# Altium PCB GridSeed.PcbDoc (part 1 of 4) (continued)
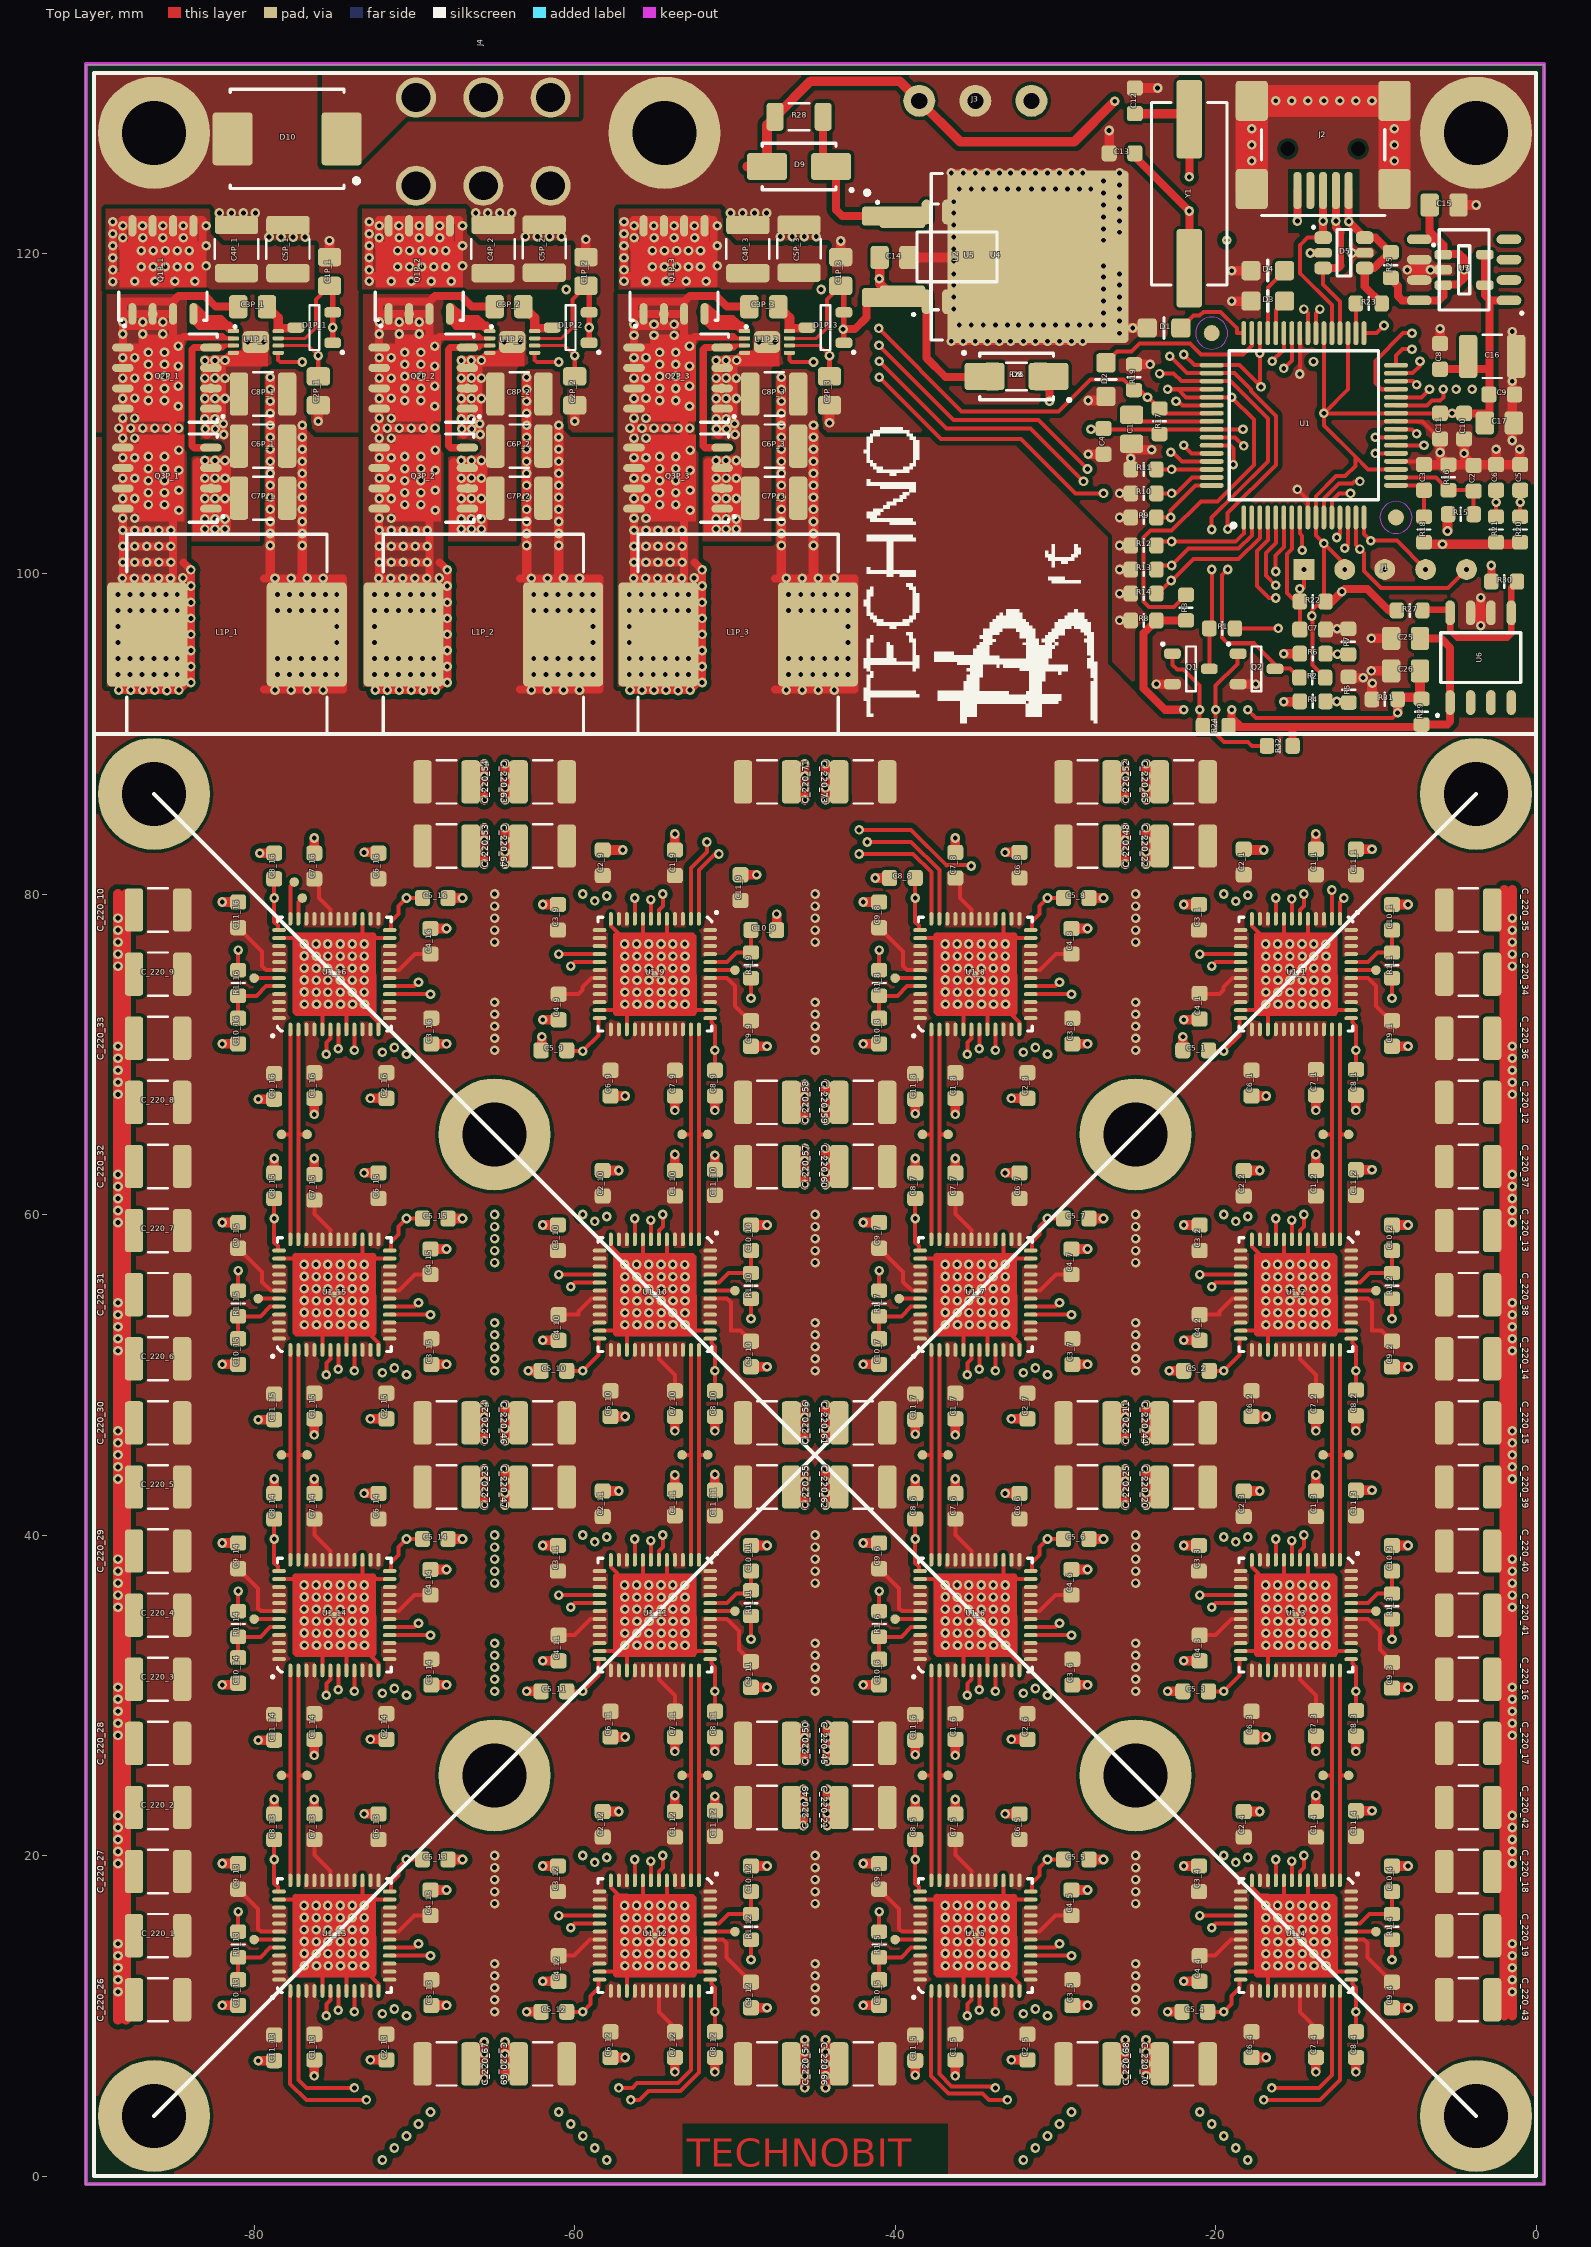
[diagram p0: Top Layer view]
## Components (designator, comment, footprint, x,y, rotation, side; value= is the part's Value field where it differs from the comment) (continued)
L1P_2 "SLC1480-201MLD" "SMD_INDM12501250X800A - Coilcraft SLC1480" -65.7,96.2 r0 top
L1P_3 "SLC1480-201MLD" "SMD_INDM12501250X800A - Coilcraft SLC1480" -49.8,96.2 r0 top
Q1 "BSS138" SMD_SOT23_SOT95P240X120-3N -21.55,94.05 r0 top
Q1P_1 "AP1RA03GMT-3" SMD_SON127P615X520X100-8N -85.7,118.95 r90 top
Q1P_2 "AP1RA03GMT-3" SMD_SON127P615X520X100-8N -69.7,118.95 r90 top
Q1P_3 "AP1RA03GMT-3" SMD_SON127P615X520X100-8N -53.8,118.95 r90 top
Q2 "BSS138" SMD_SOT23_SOT95P240X120-3N -17.45,94.05 r0 top
Q2P_1 "AP1RA03GMT-3" SMD_SON127P615X520X100-8N -85.45,112.195 r180 top
Q2P_2 "AP1RA03GMT-3" SMD_SON127P615X520X100-8N -69.45,112.195 r180 top
Q2P_3 "AP1RA03GMT-3" SMD_SON127P615X520X100-8N -53.55,112.195 r180 top
Q3P_1 "AP1RA03GMT-3" SMD_SON127P615X520X100-8N -85.45,105.95 r180 top
Q3P_2 "AP1RA03GMT-3" SMD_SON127P615X520X100-8N -69.45,105.95 r180 top
Q3P_3 "AP1RA03GMT-3" SMD_SON127P615X520X100-8N -53.55,105.95 r180 top
R1 "1k" SMD_0603_RESC1608X55N -19.6,96.575 r0 top
R1_1 "1K" SMD_0603_RESC1608X55N -9,75.55 r90 top
R1_2 "1K" SMD_0603_RESC1608X55N -9,55.55 r90 top
R1_3 "1K" SMD_0603_RESC1608X55N -9,35.55 r90 top
R1_4 "1K" SMD_0603_RESC1608X55N -9,15.55 r90 top
R1_5 "1K" SMD_0603_RESC1608X55N -41,14.45 r270 top
R1_6 "1K" SMD_0603_RESC1608X55N -41,34.45 r270 top
R1_7 "1K" SMD_0603_RESC1608X55N -41,54.45 r270 top
R1_8 "1K" SMD_0603_RESC1608X55N -41,74.45 r270 top
R1_9 "1K" SMD_0603_RESC1608X55N -49,75.55 r90 top
R1_10 "1K" SMD_0603_RESC1608X55N -49,55.55 r90 top
R1_11 "1K" SMD_0603_RESC1608X55N -49,35.75 r90 top
R1_12 "1K" SMD_0603_RESC1608X55N -49,15.55 r90 top
R1_13 "1K" SMD_0603_RESC1608X55N -81,14.45 r270 top
R1_14 "1K" SMD_0603_RESC1608X55N -81,34.45 r270 top
R1_15 "1K" SMD_0603_RESC1608X55N -81,54.45 r270 top
R1_16 "1K" SMD_0603_RESC1608X55N -81,74.45 r270 top
R2 "1k" SMD_0603_RESC1608X55N -13.975,93.5 r0 top
R3 "47" SMD_0603_RESC1608X55N -21.85,97.875 r90 top
R4 "1k" SMD_0603_RESC1608X55N -13.95,92.025 r180 top
R5 "1k" SMD_0603_RESC1608X55N -11.7,92.75 r270 top
R6 "1k" SMD_0603_RESC1608X55N -13.95,95 r180 top
R7 "1k" SMD_0603_RESC1608X55N -11.725,95.75 r270 top
R8 "47" SMD_0603_RESC1608X55N -24.5,97.075 r180 top
R9 "10k" SMD_0603_RESC1608X55N -24.5,103.5 r180 top
R10 "10k" SMD_0603_RESC1608X55N -24.5,105 r180 top
R11 "10k" SMD_0603_RESC1608X55N -24.5,106.5 r180 top
R12 "10k" SMD_0603_RESC1608X55N -24.5,101.75 r0 top
R13 "10k" SMD_0603_RESC1608X55N -24.5,100.25 r0 top
R14 "10k" SMD_0603_RESC1608X55N -24.5,98.75 r0 top
R15 "10k" SMD_0603_RESC1608X55N -4.7,103.7 r0 top
R16 "2.4k" SMD_0603_RESC1608X55N -5.475,106 r270 top
R17 "0" SMD_0603_RESC1608X55N -23.5,109.5 r90 top
R18 "10k" SMD_0603_RESC1608X55N -7,102.75 r270 top
R19 "(OPT)10k" SMD_0603_RESC1608X55N -25.1,112.25 r270 top
R20 "10k" SMD_0603_RESC1608X55N -1,102.75 r270 top
R21 "10k" SMD_0603_RESC1608X55N -2.5,102.75 r270 top
R22 "10k" SMD_0603_RESC1608X55N -13.95,98.25 r0 top
R23 "10k" SMD_0603_RESC1608X55N -10.45,116.85 r180 top
R24 "470" SMD_0603_RESC1608X55N -20,90.5 r0 top
R25 "0" SMD_0603_RESC1608X55N -9.075,119.25 r90 top
R26 "2" SMD_1206_RESC3216X180N -32.425,112.3 r0 top
R27 "0" SMD_0603_RESC1608X55N -7.9,97.7 r0 top
R28 "100" SMD_1206_RESC3216X180N -46,128.5 r180 top
R29 "1k" SMD_0603_RESC1608X55N -7.15,91.375 r90 top
R30 "(OPT)0" SMD_0603_RESC1608X55N -2,99.5 r180 top
R31 "1k" SMD_0603_RESC1608X55N -9.45,92.15 r0 top
R32 "470" SMD_0603_RESC1608X55N -16,89.25 r0 top
U1 "dsPIC33EP256MU806" SMD_QFP50P1200X1200X120-64N -14.5,109.25 r90 top
U1_1 "A3255Q48" SMD_QFN50P700X700X90-49N -15,75 r270 top
U1_2 "A3255Q48" SMD_QFN50P700X700X90-49N -15,55 r270 top
U1_3 "A3255Q48" SMD_QFN50P700X700X90-49N -15,35 r270 top
U1_4 "A3255Q48" SMD_QFN50P700X700X90-49N -15,15 r270 top
U1_5 "A3255Q48" SMD_QFN50P700X700X90-49N -35,15 r90 top
U1_6 "A3255Q48" SMD_QFN50P700X700X90-49N -35,35 r90 top
U1_7 "A3255Q48" SMD_QFN50P700X700X90-49N -35,55 r90 top
U1_8 "A3255Q48" SMD_QFN50P700X700X90-49N -35,75 r90 top
U1_9 "A3255Q48" SMD_QFN50P700X700X90-49N -55,75 r270 top
U1_10 "A3255Q48" SMD_QFN50P700X700X90-49N -55,55 r270 top
U1_11 "A3255Q48" SMD_QFN50P700X700X90-49N -55,35 r270 top
U1_12 "A3255Q48" SMD_QFN50P700X700X90-49N -55,15 r270 top
U1_13 "A3255Q48" SMD_QFN50P700X700X90-49N -75,15 r90 top
U1_14 "A3255Q48" SMD_QFN50P700X700X90-49N -75,35 r90 top
U1_15 "A3255Q48" SMD_QFN50P700X700X90-49N -75,55 r90 top
U1_16 "A3255Q48" SMD_QFN50P700X700X90-49N -75,75 r90 top
U1P_1 "LTC 4449" "SMD_DFN16166SON50P161X161X60-9N - LTC4449" -79.9,114.45 r0 top
U1P_2 "LTC 4449" "SMD_DFN16166SON50P161X161X60-9N - LTC4449" -63.9,114.45 r0 top
U1P_3 "LTC 4449" "SMD_DFN16166SON50P161X161X60-9N - LTC4449" -48,114.45 r0 top
U2 "(OPT) LM7805" SMD_SOIC127P602X173-8N -36.15,119.765 r90 top
U3 "(OPT)BU33TD3WG-TR" "SMD_SOT26_SOT95P285X140-5N - DLV" -4.5,118.95 r0 top
U4 "(OPT) L7805CD2T-TR" SMD_TO254P1524X483-3_4N_D2PAK -33.75,119.765 r0 top
U5 "L78M05CDT-TR" SMD_TO229P991X239-4AN_DPAK -35.4,119.765 r0 top
U6 "BD18KA5WF" SMD_SOIC127P602X173-8N -3.462,94.75 r90 top
U7 "BD33KA5WF" SMD_SOIC127P602X173-8N -4.5,118.95 r180 top
Y1 "Q4.000 MHz HC-49SM SMD" SMD_HC49_XTAL1140X480X420N -21.65,123.7 r270 top

## Footprints (in the part's own frame and the unit in brackets; to place one, negate y for a bottom-side part, rotate by r counter-clockwise, add the part's x,y. Pads: shape width x height; smd on the part's side, far side on the other; paste and mask are expansions set on the pad)
PTH_CON_3.5mm_3PINs [mm]
  round 2 hole 1: 1(0,0) 2(3.5,0) 3(7,0)
PTH_CON_PCI-E [mm]
  round 2.5 hole 1.8 mask+0.075: 1(0,0) 2(0,5.5) 3(4.2,0) 4(4.2,5.5) 5(8.4,0) 6(8.4,5.5)
  body extent -3,-0.7 11.17,19.27, height 6.2
"SIP5 PGM TOP" [mm]
  rect 1.3x1.3 smd: 1(0,0)
  round 1.3 smd: 2(2.55,0) 3(5.05,0) 4(7.6,0) 5(10.15,0)
SMD_0603_CAPC1608X80N [mm]
  rrect42% 0.95x1 smd mask+0.075: 1(-0.8,0) 2(0.8,0)
  body extent -0.8,-0.4 0.8,0.4, height 0.8
SMD_0603_RESC1608X55N [mm]
  rrect44% 0.9x1 smd mask+0.075: 1(-0.8,0) 2(0.8,0)
  silkscreen extent 0,-0.4 0,0.4, body extent -0.8,-0.4 0.8,0.4, height 0.55
SMD_0805_CAPC2012X145N [mm]
  rrect35% 1.15x1.45 smd mask+0.075: 1(-0.9,0) 2(0.9,0)
  body extent -1,-0.6 1,0.6, height 1.45
SMD_0805_LED2012X100N [mm]
  rrect33% 1.2x1.2 smd mask+0.075: 1(-1.05,0) 2(1.05,0)
  silkscreen extent 0,-0.65 0,0.65
SMD_1206_RESC3216X180N [mm]
  rrect38% 1.05x1.75 smd mask+0.075: 1(-1.5,0) 2(1.5,0)
  silkscreen extent -0.65,-0.85 0.65,0.85, body extent -1.6,-0.71 1.6,0.71, height 1.71
SMD_1210_CAPC3225X279N [mm]
  rrect35% 1.15x2.7 smd mask+0.075: 1(-1.5,0) 2(1.5,0)
  silkscreen extent -0.6,-1.35 0.6,1.35, body extent -1.6,-1.25 1.6,1.25, height 2.79
SMD_CON-CVILUX-CU04-SCM15B0 [mm]
  rrect80% 0.5x2.3 smd mask+0.075: 1(-1.6,2.6) 2(-0.8,2.6) 3(0,2.6) 4(0.8,2.6) 5(1.6,2.6)
  rrect20% 2x2.5 smd mask+0.075: 6(4.45,2.5) 7(4.45,-3) 8(-4.45,-3) 9(-4.45,2.5)
  round 0.5 hole 0.9 unplated mask+0.275: 10(-2.2,0) 11(2.2,0)
  silkscreen extent -3.85,-4.7 3.85,4.15, body extent -4.95,-5.9 4.95,3.1, height 3.95
"SMD_DFN16166SON50P161X161X60-9N - LTC4449" [mm]
  rrect67% 0.7x0.25 smd mask+0.05: 1(-1.4,0.675) 2(-1.4,0.225) 3(-1.4,-0.225) 4(-1.4,-0.675) 5(1.4,-0.675) 6(1.4,-0.225) 7(1.4,0.225) 8(1.4,0.675)
  rrect40% 1.65x1.35 smd mask+0.075: 9(0,0)
  silkscreen extent -1.45,0.8 -1.15,1.1, body extent -0.81,-0.8 0.81,0.8, height 0.63
SMD_DO214AC_SMA [mm]
  rrect24% 2.5x1.7 smd mask+0.075: 1(-2,0) 2(2,0)
  silkscreen extent -3.46,-1.45 2.3,1.65, body extent -2.64,-1.39 2.64,1.4, height 2.29
SMD_DO214AC_SMC [mm]
  rrect16% 2.5x3.3 smd mask+0.075: 1(-3.4,0) 2(3.4,0)
  silkscreen extent -4.47,-3.1 3.55,3.1, body extent -4.06,-3.11 4.07,3.11, height 2.62
SMD_HC49_XTAL1140X480X420N [mm]
  rrect25% 4.9x1.6 smd mask+0.075: 1(-4.65,0) 2(4.65,0)
  silkscreen extent -5.7,-2.35 5.7,2.35, body extent -6.5,-2.4 6.5,2.4, height 4.2
"SMD_INDM12501250X800A - Coilcraft SLC1480" [mm]
  rrect10% 5x6.5 smd mask+0.075: 1(-4.975,0) 2(4.975,0)
  silkscreen extent -6.25,-6.25 6.25,6.25, body extent -6.26,-6.25 6.26,6.25, height 8
SMD_QFN50P700X700X90-49N [mm]
  oval 0.85x0.25 smd: 1(-3.45,2.75) 2(-3.45,2.25) 3(-3.45,1.75) 4(-3.45,1.25) 5(-3.45,0.75) 6(-3.45,0.25) 7(-3.45,-0.25) 8(-3.45,-0.75) 9(-3.45,-1.25) 10(-3.45,-1.75) 11(-3.45,-2.25) 12(-3.45,-2.75) 25(3.45,-2.75) 26(3.45,-2.25) 27(3.45,-1.75) 28(3.45,-1.25) 29(3.45,-0.75) 30(3.45,-0.25) 31(3.45,0.25) 32(3.45,0.75) 33(3.45,1.25) 34(3.45,1.75) 35(3.45,2.25) 36(3.45,2.75)
  oval 0.25x0.85 smd: 13(-2.75,-3.45) 14(-2.25,-3.45) 15(-1.75,-3.45) 16(-1.25,-3.45) 17(-0.75,-3.45) 18(-0.25,-3.45) 19(0.25,-3.45) 20(0.75,-3.45) 21(1.25,-3.45) 22(1.75,-3.45) 23(2.25,-3.45) 24(2.75,-3.45) 37(2.75,3.45) 38(2.25,3.45) 39(1.75,3.45) 40(1.25,3.45) 41(0.75,3.45) 42(0.25,3.45) 43(-0.25,3.45) 44(-0.75,3.45) 45(-1.25,3.45) 46(-1.75,3.45) 47(-2.25,3.45) 48(-2.75,3.45)
  round 0.4 smd paste-0.2: 49(0,0)
  Top Layer region: -2.6,2.4 -2.4,2.6 2.4,2.604 2.478,2.588 2.544,2.544 2.588,2.478 2.604,2.4 2.6,2.4 2.604,-2.4 2.588,-2.478 2.544,-2.544 2.478,-2.588 2.4,-2.604 2.4,-2.6 -2.4,-2.604 -2.478,-2.588 -2.544,-2.544 -2.588,-2.478 -2.604,-2.4 -2.6,-2.4 -2.6,2.4
  Bottom Layer region: -2.6,2.4 -2.4,2.6 2.4,2.604 2.478,2.588 2.544,2.544 2.588,2.478 2.604,2.4 2.6,2.4 2.604,-2.4 2.588,-2.478 2.544,-2.544 2.478,-2.588 2.4,-2.604 2.4,-2.6 -2.4,-2.604 -2.478,-2.588 -2.544,-2.544 -2.588,-2.478 -2.604,-2.4 -2.6,-2.4 -2.6,2.4
  silkscreen extent -4,-3.55 3.55,4, body extent -3.51,-3.51 3.51,3.51, height 0.78
SMD_QFP50P1200X1200X120-64N [mm]
  oval 1.5x0.3 smd mask+0.05: 1(-5.75,3.75) 2(-5.75,3.25) 3(-5.75,2.75) 4(-5.75,2.25) 5(-5.75,1.75) 6(-5.75,1.25) 7(-5.75,0.75) 8(-5.75,0.25) 9(-5.75,-0.25) 10(-5.75,-0.75) 11(-5.75,-1.25) 12(-5.75,-1.75) 13(-5.75,-2.25) 14(-5.75,-2.75) 15(-5.75,-3.25) 16(-5.75,-3.75) 33(5.75,-3.75) 34(5.75,-3.25) 35(5.75,-2.75) 36(5.75,-2.25) 37(5.75,-1.75) 38(5.75,-1.25) 39(5.75,-0.75) 40(5.75,-0.25) 41(5.75,0.25) 42(5.75,0.75) 43(5.75,1.25) 44(5.75,1.75) 45(5.75,2.25) 46(5.75,2.75) 47(5.75,3.25) 48(5.75,3.75)
  oval 0.3x1.5 smd mask+0.05: 17(-3.75,-5.75) 18(-3.25,-5.75) 19(-2.75,-5.75) 20(-2.25,-5.75) 21(-1.75,-5.75) 22(-1.25,-5.75) 23(-0.75,-5.75) 24(-0.25,-5.75) 25(0.25,-5.75) 26(0.75,-5.75) 27(1.25,-5.75) 28(1.75,-5.75) 29(2.25,-5.75) 30(2.75,-5.75) 31(3.25,-5.75) 32(3.75,-5.75) 49(3.75,5.75) 50(3.25,5.75) 51(2.75,5.75) 52(2.25,5.75) 53(1.75,5.75) 54(1.25,5.75) 55(0.75,5.75) 56(0.25,5.75) 57(-0.25,5.75) 58(-0.75,5.75) 59(-1.25,5.75) 60(-1.75,5.75) 61(-2.25,5.75) 62(-2.75,5.75) 63(-3.25,5.75) 64(-3.75,5.75)
  round 1 smd paste-0.5 mask+0.5: 65(-5.75,-5.75) 66(5.75,5.75)
  Top Layer keep-out region: -4.75,-5.75 -4.826,-5.367 -5.043,-5.043 -5.367,-4.826 -5.75,-4.75 -5.75,-4.75 -6.133,-4.826 -6.457,-5.043 -6.674,-5.367 -6.75,-5.75 -6.75,-5.75 -6.674,-6.133 -6.457,-6.457 -6.133,-6.674 -5.75,-6.75 -5.75,-6.75 -5.367,-6.674 -5.043,-6.457 -4.826,-6.133 -4.75,-5.75
  Top Layer keep-out region: 6.75,5.75 6.674,6.133 6.457,6.457 6.133,6.674 5.75,6.75 5.75,6.75 5.367,6.674 5.043,6.457 4.826,6.133 4.75,5.75 4.75,5.75 4.826,5.367 5.043,5.043 5.367,4.826 5.75,4.75 5.75,4.75 6.133,4.826 6.457,5.043 6.674,5.367 6.75,5.75
  silkscreen extent -6.37,-4.65 4.65,4.65, body extent -6,-6 6,6, height 1.2
SMD_SOIC127P602X173-8N [mm]
  oval 1.55x0.6 smd mask+0.075: 1(-2.8,1.905) 2(-2.8,0.635) 3(-2.8,-0.635) 4(-2.8,-1.905) 5(2.8,-1.905) 6(2.8,-0.635) 7(2.8,0.635) 8(2.8,1.905)
  silkscreen extent -3.75,-2.5 1.55,2.85, body extent -3.01,-2.5 3.01,2.5, height 1.73
SMD_SON127P615X520X100-8N [mm]
  oval 1.35x0.5 smd mask+0.075: 1(-2.75,1.905) 2(-2.75,0.635) 3(-2.75,-0.635) 4(-2.75,-1.905) 5(2.75,-1.905) 6(2.75,-0.635) 7(2.75,0.635) 8(2.75,1.905)
  Top Layer region: 2.75,2.15 1.75,2.15 1.75,2.7 -1.1,2.7 -1.1,-2.7 1.75,-2.7 1.75,-2.15 2.75,-2.15 2.75,2.15
  silkscreen extent -3.65,-2.75 -1.4,2.75, body extent -2.98,-2.59 2.99,2.59, height 1
SMD_SOT23_SOT95P240X120-3N [mm]
  rrect62% 1.05x0.65 smd mask+0.075: 1(-1.15,0.95) 2(-1.15,-0.95) 3(1.15,0)
  silkscreen extent -1.82,-1.4 0.3,1.62, body extent -1.2,-1.45 1.2,1.45, height 1.2
"SMD_SOT26_SOT95P285X140-5N - DLV" [mm]
  rrect67% 1.1x0.6 smd mask+0.075: 1(-1.3,0.95) 2(-1.3,0) 3(-1.3,-0.95) 4(1.3,-0.95) 5(1.3,0.95)
  silkscreen extent -2.05,-1.5 0.35,1.7, body extent -1.5,-1.5 1.5,1.5, height 1.2
SMD_SOT95P280X145-6N-W [mm]
  rrect67% 1.1x0.8 smd mask+0.075: 1(-1.3,0.95) 3(-1.3,-0.95) 4(1.3,-0.95) 6(1.3,0.95)
  rrect67% 1.1x0.6 smd mask+0.075: 2(-1.3,0) 5(1.3,0)
  silkscreen extent -2.05,-1.45 0.43,1.75, body extent -1.4,-1.45 1.4,1.45, height 1.45
SMD_TO229P991X239-4AN_DPAK [mm]
  rrect40% 2.85x1 smd mask+0.075: 1(-4.15,2.29) 3(-4.15,-2.29)
  rrect7% 6.45x6 smd paste-3.225 mask+0.075: 2(2.35,0)
  silkscreen extent -5.85,-3.3 -1.9,3.55
SMD_TO254P1524X483-3_4N_D2PAK [mm]
  rrect33% 3.95x1.2 smd mask+0.075: 1(-6.35,2.54) 3(-6.35,-2.54)
  rrect4% 11.3x10.75 smd paste-5.65 mask+0.075: 2(2.65,0)
  silkscreen extent -8.25,-5.2 -3.3,5.2, body extent -7.62,-5.08 7.62,5.08, height 4.97

## Part data
C1 C1P_1 C1P_2 C1P_3 C2 C2P_1 C2P_2 C2P_3 C3 C3P_1 C3P_2 C3P_3 C4 C5 C6 C7 C8 C9 C10 C11 C12 C13 C14 C15 C17 C25 C26: library part CAP, "Capacitor"
C1_1 C1_2 C1_3 C1_4 C1_5 C1_6 C1_7 C1_8 C1_9 C1_10 C1_11 C1_12 C1_13 C1_14 C1_15 C1_16 C2_1 C2_2 C2_3 C2_4 C2_5 C2_6 C2_7 C2_8 C2_9 C2_10 C2_11 C2_12 C2_13 C2_14 C2_15 C2_16 C3_1 C3_2 C3_3 C3_4 C3_5 C3_6 C3_7 C3_8 C3_9 C3_10 C3_11 C3_12 C3_13 C3_14 C3_15 C3_16 C4_1 C4_2 C4_3 C4_4 C4_5 C4_6 C4_7 C4_8 C4_9 C4_10 C4_11 C4_12 C4_13 C4_14 C4_15 C4_16 C5_1 C5_2 C5_3 C5_4 C5_5 C5_6 C5_7 C5_8 C5_9 C5_10 C5_11 C5_12 C5_13 C5_14 C5_15 C5_16 C6_1 C6_2 C6_3 C6_4 C6_5 C6_6 C6_7 C6_8 C6_9 C6_10 C6_11 C6_12 C6_13 C6_14 C6_15 C6_16 C7_1 C7_2 C7_3 C7_4 C7_5 C7_6 C7_7 C7_8 C7_9 C7_10 C7_11 C7_12 C7_13 C7_14 C7_15 C7_16 C8_1 C8_2 C8_3 C8_4 C8_5 C8_6 C8_7 C8_8 C8_9 C8_10 C8_11 C8_12 C8_13 C8_14 C8_15 C8_16 C9_1 C9_2 C9_3 C9_4 C9_5 C9_6 C9_7 C9_8 C9_9 C9_10 C9_11 C9_12 C9_13 C9_14 C9_15 C9_16 C10_1 C10_2 C10_3 C10_4 C10_5 C10_6 C10_7 C10_8 C10_9 C10_10 C10_11 C10_12 C10_13 C10_14 C10_15 C10_16 C11_1 C11_2 C11_3 C11_4 C11_5 C11_6 C11_7 C11_8 C11_9 C11_10 C11_11 C11_12 C11_13 C11_14 C11_15 C11_16: library part "Cap Semi", "Capacitor (Semiconductor SIM Model)"
C4P_1 C4P_2 C4P_3 C5P_1 C5P_2 C5P_3 C6P_1 C6P_2 C6P_3 C7P_1 C7P_2 C7P_3 C8P_1 C8P_2 C8P_3 C16 C_220_1 C_220_2 C_220_3 C_220_4 C_220_5 C_220_6 C_220_7 C_220_8 C_220_9 C_220_10 C_220_11 C_220_12 C_220_13 C_220_14 C_220_15 C_220_16 C_220_17 C_220_18 C_220_19 C_220_20 C_220_21 C_220_22 C_220_23 C_220_24 C_220_25 C_220_26 C_220_27 C_220_28 C_220_29 C_220_30 C_220_31 C_220_32 C_220_33 C_220_34 C_220_35 C_220_36 C_220_37 C_220_38 C_220_39 C_220_40 C_220_41 C_220_42 C_220_43 C_220_44 C_220_45 C_220_46 C_220_47 C_220_48 C_220_49 C_220_50 C_220_51 C_220_52 C_220_53 C_220_54 C_220_55 C_220_56 C_220_57 C_220_58 C_220_59 C_220_60 C_220_61 C_220_62 C_220_63 C_220_64 C_220_65 C_220_66 C_220_67 C_220_68 C_220_69 C_220_70 C_220_71 C_220_73: library part "Cap Semi", "CL32A227MQVNNNE 220UF 6.3V 20% X5R 1210"
D1 D2 D3 D4: library part LED_2
D1P_1 D1P_2 D1P_3: library part D_DUAL_A1A2CC3
D5: library part D_TVS_QUAD_C1AA2AA5C3C4C6, "4 IO lines TVS"
D7 D8 D9: library part D_STKY
D10: library part D_TVS_UNI, "Еднопосочен трансил, 600W, UBRmin13.3V@1mA"
J1: library part CON5, "Connector"
J2: library part CON_USB_MINI_1
J4: library part CON_PCI-E, "4.20mm Male Dual Row Angled Header WR-MPC4"
L1P_1 L1P_2 L1P_3: library part L
Q1 Q2: library part BJT_NPN_B1E2C3
Q1P_1 Q1P_2 Q1P_3 Q2P_1 Q2P_2 Q2P_3 Q3P_1 Q3P_2 Q3P_3: library part MOS_N_D1_S1S2S3G4D5D6D7D8
R1 R1_1 R1_2 R1_3 R1_4 R1_5 R1_6 R1_7 R1_8 R1_9 R1_10 R1_11 R1_12 R1_13 R1_14 R1_15 R1_16 R2 R3 R4 R5 R6 R7 R8 R9 R10 R11 R12 R13 R14 R15 R16 R17 R18 R19 R20 R21 R22 R23 R24 R25 R26 R27 R28 R29 R30 R31 R32: library part Res3, "Resistor"
U1_1 U1_2 U1_3 U1_4 U1_5 U1_6 U1_7 U1_8 U1_9 U1_10 U1_11 U1_12 U1_13 U1_14 U1_15 U1_16: "Avalon2 SHA256"
U1P_1 U1P_2 U1P_3: library part DRVFET_LTC4442, "Mosfet 12V Dual Bootstrapped PWM Sync Buck Optimised"
U2 U6 U7: library part IC_LM2931AD-5.0R2G_SO-8
U3: library part "VOLTREG LDO"
U4 U5: library part IC_Vout1GND2Vin3
Y1: library part CRYSTAL, "Crystal"

## Free pads (board coordinates)
  round 0.6 smd: 0(-86.335,116.2) 0(-82.7,105.315) 0(-82.7,111.56) 0(-81.1,118.75) 0(-80,14.75) 0(-80,34.75) 0(-80,74.75) 0(-79.9,114.45) 0(-79.75,54.75) 0(-79.2,116.65) 0(-78.3,45) 0(-78.3,65) 0(-78.3,25) 0(-77.95,104.7) 0(-77.95,107.95) 0(-77.95,111.2) 0(-77.9,118.75) 0(-77.5,80.75) 0(-77.4,115.35) 0(-77,79.75) 0(-76.7,45) 0(-76.7,65) 0(-76.7,25) 0(-76,112.3) 0(-76,112.3) 0(-75.3,117.95) 0(-70.335,116.2) 0(-66.7,105.315) 0(-66.7,111.56) 0(-65.1,118.75) 0(-63.9,114.45) 0(-63.2,116.65) 0(-61.95,104.7) 0(-61.95,107.95) 0(-61.95,111.2) 0(-61.95,104.7) 0(-61.95,107.95) 0(-61.95,111.2) 0(-61.9,118.75) 0(-61.4,115.35) 0(-60,112.3) 0(-60,112.3) 0(-59.3,117.95) 0(-54.435,116.2) 0(-53.3,25) 0(-53.3,45) 0(-53.3,65) 0(-51.7,25) 0(-51.7,45) 0(-51.7,65) 0(-50.8,105.315) 0(-50.8,111.56) 0(-50,15.25) 0(-50,35.25) 0(-50,55.25) 0(-50,75.25) 0(-49.2,118.75) 0(-48,114.45) 0(-47.3,116.65) 0(-46.05,104.7) 0(-46.05,107.95) 0(-46.05,111.2) 0(-46.05,104.7) 0(-46.05,107.95) 0(-46.05,111.2) 0(-46,118.75) 0(-45.5,115.35) 0(-44.1,112.3) 0(-43.4,117.95) 0(-40,14.75) 0(-40,34.75) 0(-40,74.75) 0(-39.75,54.75) 0(-38.3,45) 0(-38.3,65) 0(-38.3,25) 0(-36.7,45) 0(-36.7,65) 0(-36.7,25) 0(-13.3,25) 0(-13.3,45) 0(-13.3,65) 0(-11.7,25) 0(-11.7,45) 0(-11.7,65) 0(-10,15.25) 0(-10,35.25) 0(-10,55.25) 0(-10,75.25) 0(-3.75,127.5)
  round 7 / inner round 4.5 / far side round 7 hole 4: 0(-86.25,3.75) 0(-86.25,86.25) 0(-86.25,127.5) 0(-65,25) 0(-65,65) 0(-54.4,127.5) 0(-25,25) 0(-25,65) 0(-3.75,127.5) 0(-3.75,3.75) 0(-3.75,86.25)

## Via types
v1: diameter 0.6, hole 0.3, Top Layer to Bottom Layer, tented both sides, 1744 vias
v2: diameter 0.6, hole 0.3, Top Layer to Bottom Layer, 576 vias